# Altium PCB DS134-1.0-A色度传感器partA.PcbDoc (continued)
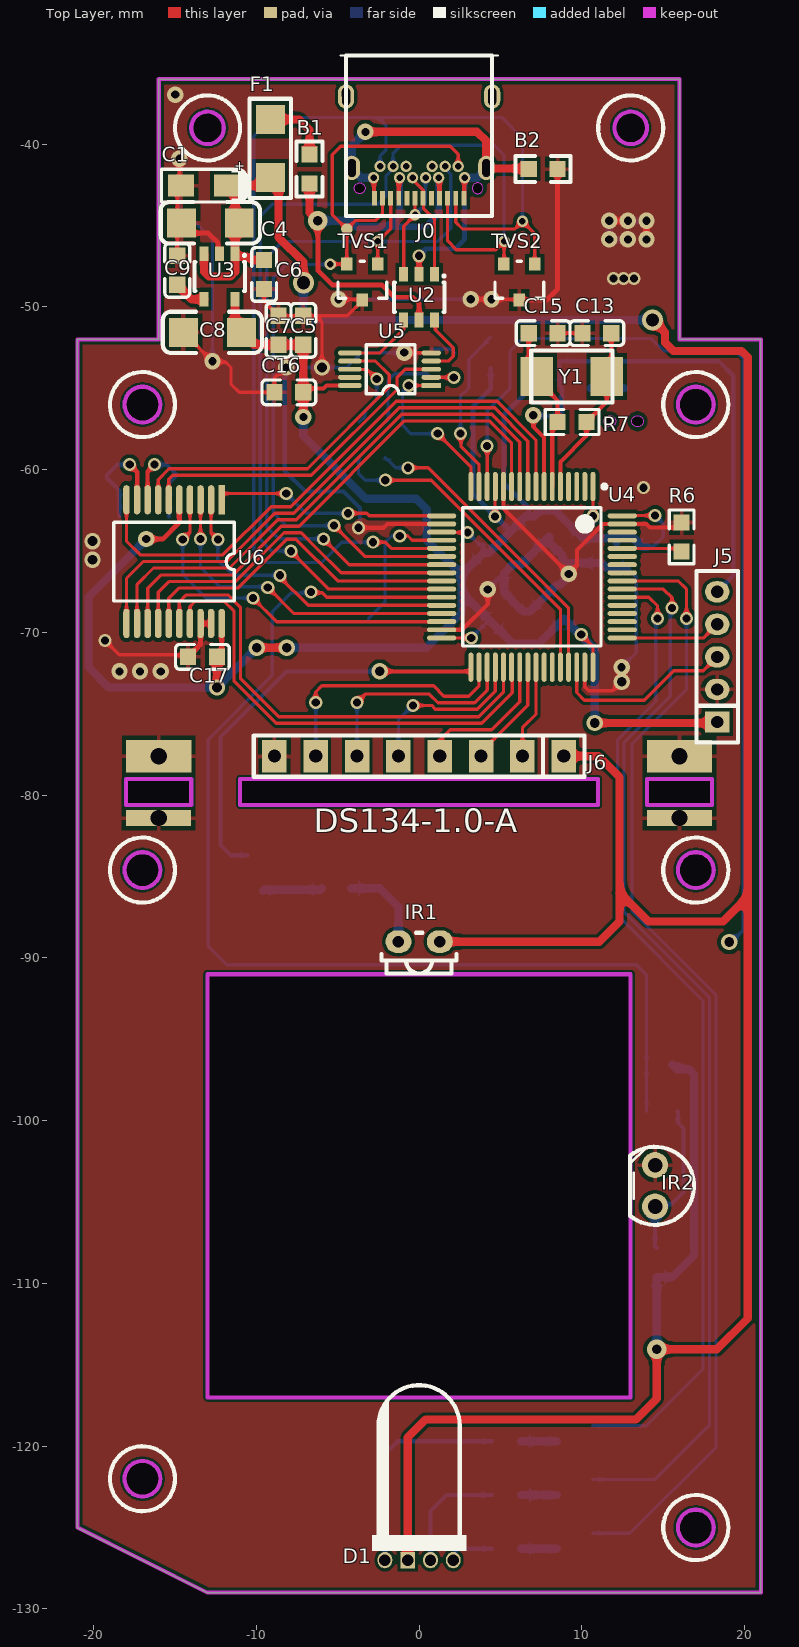
[diagram p0: Top Layer view]
## Footprints (in the part's own frame and the unit in brackets; to place one, negate y for a bottom-side part, rotate by r counter-clockwise, add the part's x,y. Pads: shape width x height; smd on the part's side, far side on the other; paste and mask are expansions set on the pad) (continued)
  round 0.7 hole 0.4: B1(2.8,1.86) B2(2.4,1.16) B3(1.6,1.16) B4(1.2,1.86) B5(0.8,1.16) B6(0.4,1.86) B7(-0.4,1.86) B8(-0.8,1.16) B9(-1.2,1.86) B10(-1.6,1.16) B11(-2.4,1.16) B12(-2.8,1.86)
  Keep-Out Layer board cut-out: 3.98,2.51 3.955,2.384 3.883,2.277 3.776,2.205 3.65,2.18 3.65,2.18 3.524,2.205 3.417,2.277 3.345,2.384 3.32,2.51 3.32,2.51 3.345,2.636 3.417,2.743 3.524,2.815 3.65,2.84 3.65,2.84 3.776,2.815 3.883,2.743 3.955,2.636 3.98,2.51
  Keep-Out Layer board cut-out: -3.93,2.51 -3.905,2.384 -3.833,2.277 -3.726,2.205 -3.6,2.18 -3.6,2.18 -3.474,2.205 -3.367,2.277 -3.295,2.384 -3.27,2.51 -3.27,2.51 -3.295,2.636 -3.367,2.743 -3.474,2.815 -3.6,2.84 -3.6,2.84 -3.726,2.815 -3.833,2.743 -3.905,2.636 -3.93,2.51
  silkscreen extent -4.48,-5.66 4.48,4.21, body extent -4.87,-5.66 4.88,4.21, height 3.36
XTAL_SMD5032_2P [mm]
  rect 2x2.4 smd: 1(-2.15,0) 2(2.15,0)
  silkscreen extent -2.5,-1.6 2.5,1.6, body extent -2.5,-1.6 2.5,1.6, height 1.3

## Part data
B1 B2: library part "Chip Ferrite Bead 0606", "贴片磁珠"
C1: "钽电容"
C4 C8: "贴片电容"
C5 C10 C16 C17 C19 C20 C21 C23 C24: library part "MLCC 100nF 50V ±10％ 0603", "贴片电容"
C6 C7 C11: library part "MLCC 1uF 50V ±10％ 0603", "贴片电容"
C9 C12: library part "MLCC 10nF 50V ±10％ 0603", "贴片电容"
C13 C14 C15 C18: library part "MLCC 20pF 50V ±10％ 0603", "贴片电容"
C22: library part "MLCC 4.7uF 50V ±10％ 0603", "贴片电容"
D1: library part "Φ5 RGB 透明 共阳 DIP4", "RGB插件LED"
F1: "贴片自恢复保险丝 16V /0.5A"
J5: "单排直针"
J6: library part "DIP8 单排直针 1*40P 间距2.54mm 针长11mm 铜", "单排直针"
K1: "轻触开关"
Q1: "数字晶体管"
Q2 Q3 Q4 Q5: library part "DTC114ECA SOT-23 长电", "数字晶体管"
R1 R2: library part "Chip 22K 1/16W ±1％ 0603", "贴片电阻"
R3: library part "Chip 1.5K 1/16W ±1％ 0603", "贴片电阻"
R4 R6: library part "Chip 10K 1/16W ±1％ 0603", "贴片电阻"
R5 R8 R9: library part "Chip 100R 1/16W ±1％ 0603", "贴片电阻"
R7: library part "Chip 1M 1/16W ±1％ 0603", "贴片电阻"
R10 R11 R12: library part "Chip 510R 1/16W ±1％ 0603", "贴片电阻"
TVS1 TVS2: library part TVS, "瞬态抑制二极管"
U2: "瞬态抑制二极管(TVS)"
U3: "稳压芯片"
U5: "USB 开关芯片"
U7: library part "LM321 SOT23-5", "运放芯片"
Y1: library part X50328MSB2GI, "贴片晶振"
Y2: library part X503212MSB2GI, "贴片晶振"

## Free pads (board coordinates)
  rect 4x1 hole 1: 0(-16.002,-81.407) 0(15.998,-81.407)
  rect 4x2 hole 1: 0(-15.998,-77.6) 0(16.002,-77.6)
  round 0.7 smd mask+0.102: 2(-4.44,-45.217)

## Via types
v1: diameter 0.8, hole 0.5, Top Layer to Bottom Layer, tented both sides, 43 vias
v2: diameter 1, hole 0.5, Top Layer to Bottom Layer, tented both sides, 24 vias
v3: diameter 1, hole 0.6, Top Layer to Bottom Layer, tented both sides, 10 vias
v4: diameter 0.7, hole 0.4, Top Layer to Bottom Layer, tented both sides, 5 vias
v5: diameter 1.2, hole 0.6, Top Layer to Bottom Layer, tented both sides, 2 vias
v6: diameter 1.3, hole 0.8, Top Layer to Bottom Layer, tented both sides, 2 vias

## Nets (pads, with @x,y where several pads share a name; then routed paths per layer and width w, separated by ;. In a path a pad name is that pad's centre, name@x,y a point inside that pad or via, vN(x,y) a via of type N, cw(c..) or ccw(c..) an arc to the next point about the centre after c; other vN are vias at no path point)
ADC12_IN9: U4.27 U7.3 U7.4 | length 69.3
  Top Layer w0.2: v1(-6.65,-67.505) -6.589,-67.565 -5.954,-67.565 -5.684,-67.836 U4.27
  Bottom Layer w0.2: v1(-6.65,-67.505) -6.715,-67.57 -7.858,-67.57 -9.017,-68.729 -9.017,-72.644 -12.954,-76.581 -12.954,-89.281 -11.811,-90.424 13.335,-90.424 13.975,-91.064 U7.4 U7.3
BOOT0: R6.1 U4.60 | length 3.7
  Top Layer w0.2: U4.60 15.941,-64.836 R6.1
D+_I/O1: J0.A6 J0.B6 U2.1 | length 6
  Top Layer w0.2: J0.B6 -0.4,-42.179 0.25,-42.829 J0.A6 0.266,-43.346 0.266,-43.93 0.95,-44.613 0.95,-47.498
D-_I/O2: J0.A7 J0.B7 U2.3 | length 7
  Top Layer w0.2: -0.95,-47.498 -0.95,-45.032 v4(-0.25,-44.332) J0.A7
  Bottom Layer w0.2: v4(-0.25,-44.332) 0.4,-43.682 J0.B7
DAC_OUT1: U4.20 | length 8.9
  Top Layer w0.2: v1(-1.189,-64.076) -0.681,-64.076 -0.421,-64.336 U4.20
  Bottom Layer w0.2: -3.117,-69.158 -2.099,-68.14 -2.099,-64.478 -1.697,-64.076 v1(-1.189,-64.076)
Dis_blue_EN: Q4.1 U4.56 | length 70.2
  Top Layer w0.2: U4.56 15.909,-66.836 16.433,-67.36 v1(16.433,-69.138)
  Bottom Layer w0.2: Q4.1 12.949,-125.354 18.245,-120.058 18.245,-92.286 13.081,-87.122 13.081,-76.835 16.433,-73.483 v1(16.433,-69.138)
Dis_green_EN: Q3.1 U4.55 | length 66.1
  Top Layer w0.2: U4.55 15.012,-67.336 15.544,-67.868 v1(15.544,-68.503)
  Bottom Layer w0.2: Q3.1 14.473,-122.052 17.845,-118.68 17.845,-92.452 12.592,-87.199 12.592,-76.758 15.432,-73.918 15.432,-68.615 v1(15.544,-68.503)
Dis_IR_EN: Q5.1 U4.33 | length 25.8
  Top Layer w0.254: v3(-2.413,-72.39) 3.162,-72.39 3.183,-72.369 U4.33
  Bottom Layer w0.254: Q5.1 -11.557,-83.693 -12.192,-83.058 -12.192,-76.423 -8.159,-72.39 v3(-2.413,-72.39)
Dis_red_en: Q2.1 U4.54 | length 60.7
  Top Layer w0.2: U4.54 14.115,-67.836 14.655,-68.376 v1(14.655,-69.138)
  Bottom Layer w0.2: Q2.1 13.965,-118.75 17.445,-115.27 17.445,-92.617 12.192,-87.364 12.192,-76.593 14.543,-74.242 14.543,-69.25 v1(14.655,-69.138)
GND: B2.2 C1.2 C4.1 C5.1 C6.1 C7.1 C8.1 C9.2 C10.1 C11.1 C12.1 C13.1 C14.1 C15.1 C16.1 C17.1 C18.1 C19.1 C20.1 C21.1 C22.1 C23.1 C24.1 IR2.1 J5.2 J6.8 K1.1 pad.0 Q2.2 Q3.2 Q4.2 Q5.2 R6.2 TVS1.3 TVS2.3 U3.2 U4.12 U4.18 U4.31 U4.47 U4.63 U5.5 U5.9 U6.18 U6.19 U7.2 | length 158.8
  Top Layer w0.2: v1(-19.304,-70.485) -18.414,-71.375 C17.1@-14.2,-71.375 ; C9.2 -14.859,-42.773 C1.2 -14.732,-42.444 v2(-14.732,-40.894) ; C8.1 v2(-12.7,-53.34) -12.662,-53.378 -11.9,-53.378 -11.557,-53.721 -11.557,-54.737 -11.049,-55.245 C16.1 -8.891,-54.357 -8.255,-53.721 v2(-8.16,-53.721) ; C6.1 -9.525,-49.657 C7.1 C5.1 -6.35,-50.546 ; v3(-5.969,-53.721) -5.969,-50.927 -6.35,-50.546 ; v2(-4.953,-49.53) -3.531,-49.53 TVS1.3 -3.49,-49.621 -4.415,-50.546 -6.35,-50.546 ; v2(-0.913,-52.808) 0.729,-52.808 U5.5 ; v2(3.175,-49.53) v2(4.445,-49.53) 6.116,-49.53 TVS2.3 ; C15.1 C13.1 ; U4.47 10.183,-73.35 10.414,-73.581 11.89,-73.581 v3(12.446,-73.025) v2(12.446,-72.136)
  Top Layer w0.254: v1(-3.729,-63.568) -2.184,-63.568 -1.952,-63.336 U4.18 ; U4.31 2.634,-69.836 4.221,-68.248 v2(4.221,-67.35) ; U4.12 5.192,-61.045 5.192,-62.394 v2(9.198,-66.401) 9.198,-66.38 9.699,-65.879 9.699,-64.926 11.289,-63.336 U4.63 13.97,-63.336 14.194,-63.56 15.815,-63.56 R6.2 ; v2(11.684,-44.704) v2(12.827,-44.704) ; v2(13.97,-45.847) v2(13.97,-44.704)
  Top Layer w0.3: C4.1 -13.97,-45.466 -12.954,-45.466 -12.355,-46.065 -12.355,-46.633 U3.2 ; C17.1 -13.43,-70.732 U6.18 U6.19 ; TVS2.3 7.833,-49.571 8.509,-48.895 B2.2
  Bottom Layer w0.2: v2(-14.732,-40.894) -14.732,-43.815 -12.7,-45.847 v2(-12.7,-53.34) ; v2(-8.16,-53.721) v3(-5.969,-53.721) -4.44,-53.721 -3.527,-52.808 v2(-0.913,-52.808) ; v2(-4.953,-49.53) v2(3.175,-49.53) ; v2(12.446,-72.136) 13.335,-71.247 13.335,-66.586 C22.1 C22.1
  Bottom Layer w0.254: v2(-8.16,-53.721) -8.255,-53.816 -8.255,-60.071 -6.985,-61.341 -4.638,-61.341 -3.637,-62.342 -3.637,-63.476 v1(-3.729,-63.568) ; v2(4.221,-67.35) C23.1 C23.1 ; v2(11.684,-44.704) v2(11.684,-45.847) v2(12.827,-45.847) ; v2(12.827,-44.704) v2(13.97,-44.704)
  Bottom Layer w0.508: C24.1 9.071,-65.735 C21.1 11.214,-65.735 11.483,-66.004 C22.1 ; C24.1@8.801,-65.274 7.994,-64.466 C12.1 C12.1 6.287,-65.824 5.749,-65.824 C23.1 5.21,-67.513 5.748,-68.051 C19.1 5.843,-68.159 6.393,-68.709 6.814,-68.709 8.442,-67.081 8.655,-67.081 9.104,-66.632 9.104,-66.495 v2(9.198,-66.401)
  other v1: 13.797,-61.107 11.938,-48.26 12.573,-48.26 13.208,-48.26
  other v2: -18.415,-72.39 -17.145,-72.39 -15.875,-72.39 -14.986,-36.957
  other v3: -20.066,-65.532 -20.066,-64.389
HSD1+: R2.1 R3.1 U5.2 | length 8.3
  Top Layer w0.2: U5.2 v1(2.13,-54.327)
  Bottom Layer w0.2: R2.1 -1.905,-56.944 -1.905,-54.522 -1.485,-54.102 0.508,-54.102 R3.1 0.791,-54.327 v1(2.13,-54.327)
HSD1-: R1.1 U5.8 | length 5
  Top Layer w0.2: U5.8 -4.233,-53.846 -3.177,-53.846 v1(-2.601,-54.422)
  Bottom Layer w0.2: R1.1 -3.322,-56.71 -3.322,-56.408 -2.601,-55.687 v1(-2.601,-54.422)
HSD2+: U5.3 U6.6 | length 20.6
  Top Layer w0.2: U6.6 -15.38,-60.592 -15.132,-60.344 -6.623,-60.344 -1.352,-55.073 -1.352,-54.316 -0.863,-53.827 U5.3
HSD2-: U5.7 U6.7 | length 21.7
  Top Layer w0.2: U6.7@-16.03,-62.596 U6.7@-16.03,-62.056 ; U6.7 -16.03,-60.607 -15.367,-59.944 -6.858,-59.944 -1.824,-54.91 ; U5.7 -2.68,-53.327 -1.839,-54.168 -1.839,-54.715
I2C1_SCL: U4.58
I2C1_SDA: U4.59
I2C1_SMBAI: U4.57
KEY_HOME: U4.14 | length 60.3
  Top Layer w0.2: U4.14 U4.14 ; U4.14 v1(4.182,-58.548) ; v1@4.226,-58.549 v1@4.227,-58.551
  Bottom Layer w0.2: v1(4.182,-58.548) 4.182,-56.353 ; 4.226,-56.353 5.588,-54.991 5.588,-52.705 6.35,-51.943 14.27,-51.943 15.032,-52.705 19.431,-52.705 19.905,-53.179 19.905,-88.299 19.177,-89.027 v3(19.05,-89.027)
NetB1_2: B1.2 F1.1 | length 4.2
  Top Layer w0.508: F1.1 -7.366,-38.481 -6.731,-39.116 B1.2
NetC9_1: C9.1 U3.4 | length 2
  Top Layer w0.508: C9.1 -13.971,-49.53 U3.4
NetD1_1: D1.1 R10.2 | length 13.4
  Bottom Layer w0.254: D1.1 -2.1,-120.464 -1.336,-119.7 R10.2
NetD1_3: D1.3 R11.2 | length 7.2
  Bottom Layer w0.254: D1.3 0.7,-123.978 1.676,-123.002 R11.2
NetD1_4: D1.4 R12.1 | length 2.9
  Bottom Layer w0.254: D1.4 2.224,-126.876 2.224,-126.499 2.419,-126.304 R12.1
NetIR1_2: IR1.2 R8.2 | length 5.5
  Bottom Layer w0.508: R8.2 -2.413,-85.725 -1.27,-86.868 IR1.2
NetIR2_2: IR2.2 R9.1 U7.1 | length 9.8
  Bottom Layer w0.254: R9.1 14.5,-107.718 IR2.2 14.641,-105.129 15.521,-105.129 16.256,-104.394 16.256,-100.478 15.901,-100.123 15.901,-99.467 U7.1
NetK1_2: K1.2 R5.1 | length 2
  Bottom Layer w0.508: R5.1 K1.2@12.573,-54.991
NetQ1_3: Q1.3 R3.2 | length 1.5
  Bottom Layer w0.2: R3.2 1.898,-52.578 2.152,-52.832 Q1.3
NetQ2_3: Q2.3 R10.1 | length 2.2
  Bottom Layer w0.508: R10.1 Q2.3
NetQ3_3: Q3.3 R11.1 | length 2.2
  Bottom Layer w0.508: R11.1 Q3.3
NetQ4_3: Q4.3 R12.2 | length 2.2
  Bottom Layer w0.508: R12.2 Q4.3
NetQ5_3: Q5.3 R8.1 | length 3.7
  Bottom Layer w0.508: Q5.3 -9.507,-85.809 -6.053,-85.809 R8.1
OE: J6.7 U4.34 | length 16.2
  Top Layer w0.2: v1(-6.35,-74.295) -6.35,-73.66 -5.969,-73.279 0.889,-73.279 1.524,-73.914 3.048,-73.914 3.683,-73.279 U4.34
  Bottom Layer w0.2: J6.7@-6.35,-78 J6.7 v1(-6.35,-74.295)
OSC32_IN: U4.3
OSC32_OUT: U4.4
OSC_IN: C13.2 R7.2 U4.5 Y1.2 | length 10.7
  Top Layer w0.254: U4.5 8.683,-59.516 10.287,-57.912 R7.2 11.539,-55.819 Y1.2 11.812,-54.004 C13.2
OSC_OUT: C15.2 R7.1 U4.6 Y1.1 | length 10.8
  Top Layer w0.254: C15.2 6.731,-53.769 Y1.1 7.239,-54.477 8.509,-55.747 R7.1 8.183,-57.397 U4.6 ; Y1.1@7.111,-53.697 Y1.1@7.44,-53.368
OUT: J6.2 U4.41 | length 6.2
  Top Layer w0.2: J6.2@6.35,-78 6.35,-75.867 7.183,-75.034 U4.41
RESET: C10.2 J5.5 R4.1 R5.2 U4.7 | length 34.5
  Top Layer w0.254: v2(7.018,-56.656) 7.032,-56.67 7.032,-57.38 7.683,-58.031 U4.7
  Bottom Layer w0.254: v2@7.018,-56.69 C10.2 R5.2 8.636,-54.864 R4.1 18.415,-53.34 19.304,-54.229 19.304,-66.512 J5.5
S0: J6.5 U4.36 | length 10.6
  Top Layer w0.2: v1(-0.381,-74.487) 0.769,-74.487 0.996,-74.714 3.576,-74.714 4.683,-73.607 U4.36
  Bottom Layer w0.2: J6.5 -1.27,-75.376 v1(-0.381,-74.487)
S1: J6.6 U4.35 | length 13.9
  Top Layer w0.2: v1(-3.81,-74.295) -3.302,-73.787 0.635,-73.787 1.162,-74.314 3.41,-74.314 4.183,-73.541 U4.35
  Bottom Layer w0.2: J6.6@-3.81,-78 J6.6 v1(-3.81,-74.295)
S2: J6.3 U4.40 | length 6.5
  Top Layer w0.2: J6.3@4.192,-77.618 4.192,-76.968 6.683,-74.477 U4.40
S3: J6.4 U4.39 | length 9.4
  Top Layer w0.2: J6.4@1.27,-78 1.27,-76.629 1.915,-75.984 4.455,-75.984 6.183,-74.256 U4.39
SPI1_CS: J0.A3 J0.B3 TVS2.2 U4.26 | length 63.8
  Top Layer w0.2: v1(-7.876,-65.008) -5.549,-67.336 U4.26 ; J0.A3 1.75,-45.946 2.286,-46.482 4.713,-46.482 v4(5.221,-45.974) 5.221,-47.357 TVS2.2
  Bottom Layer w0.2: v1(-7.876,-65.008) -7.887,-64.998 -9.043,-64.998 -9.76,-64.281 -9.76,-44.431 -9.017,-43.688 -2.54,-43.688 -2.032,-43.18 -2.032,-41.927 -1.6,-41.495 J0.B3 -1.6,-40.551 -1.11,-40.061 4.605,-40.061 5.221,-40.677 v4(5.221,-45.974)
SPI1_MISO: J0.A11 J0.B11 pad.2 TVS1.2 U4.22 | length 50.3
  Top Layer w0.2: v4(-5.461,-47.371) TVS1.2 pad.2 ; v1(-5.236,-63.419) -3.319,-65.336 U4.22 ; J0.A11 -2.25,-44.249 -2.694,-44.693 -3.916,-44.693 pad.2 ; J0.B11 2.4,-40.627 1.905,-40.132 -4.826,-40.132 -5.334,-40.64 -5.334,-44.323 pad.2
  Bottom Layer w0.2: v4(-5.461,-47.371) -5.476,-47.386 -8.143,-47.386 -8.96,-48.203 -8.96,-62.655 -8.174,-63.441 -5.258,-63.441 v1(-5.236,-63.419)
SPI1_MOSI: J0.A10 J0.B10 TVS1.1 U4.23 | length 48.6
  Top Layer w0.2: v1(-5.883,-64.251) -4.298,-65.836 U4.23 ; TVS1.1 v4(-2.54,-45.974) -1.75,-45.184 J0.A10
  Bottom Layer w0.2: v1(-5.883,-64.251) -8.634,-64.251 -9.36,-63.525 -9.36,-46.952 -8.382,-45.974 v4(-2.54,-45.974) 1.143,-45.974 1.938,-45.179 1.938,-41.833 1.6,-41.495 J0.B10
SPI1_SCK: J0.A2 J0.B2 TVS2.1 U4.21 | length 72.8
  Top Layer w0.2: v1(-2.84,-64.457) -2.078,-64.457 -1.699,-64.836 U4.21 ; J0.A2 2.25,-44.795 2.667,-45.212 5.884,-45.212 v4(6.35,-44.746) 7.107,-45.503 TVS2.1
  Bottom Layer w0.2: v1(-2.84,-64.457) -4.745,-64.457 -5.996,-65.708 -9.349,-65.708 -10.16,-64.897 -10.16,-39.497 -9.017,-38.354 -2.54,-38.354 ; J0.B2 -2.4,-40.707 -2.032,-40.339 -2.032,-38.862 -2.54,-38.354 ; v4(6.35,-44.746) 6.35,-39.624 5.08,-38.354 -2.54,-38.354
SWCLK: J5.4 U4.49 | length 6.2
  Top Layer w0.2: U4.49 12.494,-70.347 17.469,-70.347 J5.4
SWDIO: J5.3 U4.46 | length 11.4
  Top Layer w0.2: U4.46 9.683,-73.691 10.16,-74.168 13.843,-74.168 15.653,-72.358 17.47,-72.358 J5.3@18.267,-71.561
USART1_RX: U4.43
USART1_TX: U4.42
"USB Pull Up": Q1.1 U4.15 | length 10.4
  Top Layer w0.2: v1(2.54,-57.785) 2.578,-57.823 2.578,-58.585 3.683,-59.69 U4.15
  Bottom Layer w0.2: v1(2.54,-57.785) 2.54,-55.499 3.048,-54.991 3.048,-53.236 4.102,-52.182 4.102,-52.132 4.352,-51.882 Q1.1
USB_A0: U4.30 U6.4 | length 21.9
  Top Layer w0.2: v1(-14.524,-64.282) -14.08,-63.838 U6.4 ; v1(-10.206,-67.886) -8.756,-69.336 U4.30
  Bottom Layer w0.2: v1(-14.524,-64.282) -14.524,-66.441 -13.079,-67.886 v1(-10.206,-67.886)
USB_D0: U4.8 U6.10 | length 35.8
  Top Layer w0.2: U6.10 -17.98,-64.39 -17.13,-65.24 -12.053,-65.24 -9.092,-62.279 -7.875,-62.279 -1.397,-55.801 4.807,-55.801 7.183,-58.177 U4.8
USB_D1: U4.9 U6.11 | length 35.4
  Top Layer w0.2: U6.11 -17.98,-66.684 -16.936,-65.64 -11.818,-65.64 -8.857,-62.679 -7.709,-62.679 -1.231,-56.201 4.641,-56.201 6.683,-58.243 U4.9
USB_D2: U4.10 U6.12 | length 33.7
  Top Layer w0.2: U6.12 -17.33,-67.05 -16.32,-66.04 -11.651,-66.04 -8.689,-63.079 -7.543,-63.079 -1.066,-56.601 4.475,-56.601 6.183,-58.309 U4.10
USB_D3: U4.11 U6.13 | length 32
  Top Layer w0.2: U6.13 -16.68,-67.289 -15.864,-66.473 -11.462,-66.473 -8.468,-63.479 -7.378,-63.479 -0.9,-57.001 4.31,-57.001 5.683,-58.374 U4.11
USB_D4: U4.24 U6.14 | length 21.9
  Top Layer w0.2: U6.14 -16.03,-67.528 -15.375,-66.873 -11.296,-66.873 -8.302,-63.879 -7.249,-63.879 -6.272,-64.856 -4.792,-66.336 U4.24
USB_D5: U4.25 U6.15 | length 20.9
  Top Layer w0.2: U6.15 -15.38,-67.894 -14.759,-67.273 -11.13,-67.273 -8.136,-64.279 -7.568,-64.279 -5.011,-66.836 U4.25
USB_D6: U4.37 U6.16 | length 29.2
  Top Layer w0.2: U6.16 -14.73,-68.133 -14.295,-67.698 -11.743,-67.698 -10.968,-68.473 -10.968,-72.843 -8.623,-75.187 -0.091,-75.187 -0.088,-75.184 3.671,-75.184 5.183,-73.672 U4.37
USB_D7: U4.38 U6.17 | length 29.3
  Top Layer w0.2: U6.17 -14.08,-68.409 -13.769,-68.098 -11.978,-68.098 -11.368,-68.708 -11.368,-73.008 -8.789,-75.587 0.075,-75.587 0.078,-75.584 3.837,-75.584 5.729,-73.692 U4.38@5.729,-71.735
USB_D+: U2.6 U5.4 | length 4.2
  Top Layer w0.2: U5.4 1.796,-53.327 2.098,-53.025 2.098,-52.517 1.014,-51.433 1.014,-50.864 U2.6
USB_D-: U2.4 U5.6 | length 4.5
  Top Layer w0.2: U5.6 -2.403,-52.827 -0.95,-51.374 -0.95,-50.988 U2.4
USB_INT: U4.17 U6.1 | length 14.5
  Top Layer w0.2: U6.1@-12.111,-61.508 U6.1@-12.111,-61.468 ; U6.1@-12.03,-61.087 -12.111,-61.168 U6.1@-12.111,-61.468 ; v1(-8.163,-61.468) U6.1@-12.111,-61.468 ; v1(-4.364,-62.679) -3.229,-62.679 -3.072,-62.836 U4.17
  Bottom Layer w0.2: v1(-8.163,-61.468) -6.952,-62.679 v1(-4.364,-62.679)
USB_RD: U4.29 U6.3 | length 20.1
  Top Layer w0.2: v1(-13.43,-64.257) U6.3 ; v1(-9.3,-67.234) -7.698,-68.836 U4.29
  Bottom Layer w0.2: v1(-13.43,-64.257) -13.43,-66.011 -12.255,-67.186 -9.348,-67.186 v1(-9.3,-67.234)
"USB_Select Input": U4.16 U5.1 | length 10.5
  Top Layer w0.2: v1(-0.635,-54.827) U5.1 ; v1(1.143,-57.785) 3.183,-59.825 3.183,-60.272 U4.16
  Bottom Layer w0.2: v1(-0.635,-54.827) -0.635,-54.863 -1.016,-55.244 -1.016,-57.277 -0.508,-57.785 v1(1.143,-57.785)
USB_WR: U4.28 U6.2 | length 18.8
  Top Layer w0.2: U6.2 -12.78,-63.867 v1(-12.365,-64.282) ; v1(-8.555,-66.489) -8.555,-66.601 -6.82,-68.336 U4.28
  Bottom Layer w0.2: v1(-12.365,-64.282) -12.365,-65.552 -11.428,-66.489 v1(-8.555,-66.489)
USB_XI: C14.2 U6.8 Y2.2 | length 6.7
  Top Layer w0.254: U6.8 -16.68,-60.114 v1(-16.256,-59.69)
  Bottom Layer w0.254: v1(-16.256,-59.69) -15.512,-59.69 Y2.2 -15.367,-60.815 C14.2
USB_XO: C18.2 U6.9 Y2.1 | length 6.9
  Top Layer w0.254: v1(-17.78,-59.69) -17.322,-60.148 U6.9@-17.322,-61.854
  Bottom Layer w0.254: C18.2 -18.414,-61.288 -19.177,-60.525 Y2.1 -18.542,-59.69 v1(-17.78,-59.69)
USBDM: R1.2 U4.44 | length 20.4
  Top Layer w0.2: v1(-2.078,-60.647) 0.75,-60.647 8.683,-68.579 U4.44
  Bottom Layer w0.2: R1.2@-3.729,-59.25 -3.729,-60.218 -3.3,-60.647 v1(-2.078,-60.647)
USBDP: R2.2 U4.45 | length 18.7
  Top Layer w0.2: v1(-0.681,-59.885) 0.554,-59.885 9.183,-68.514 U4.45
  Bottom Layer w0.2: R2.2@-2.078,-59.25 -1.443,-59.885 v1(-0.681,-59.885)
VBUS: B1.1 J0.A4 J0.A9 J0.B4 J0.B9 U2.5 | length 29.6
  Top Layer w0.254: J0.A9 J0.A9@-1.227,-43.307 ; J0.B4@-1.227,-42.087 J0.B4 ; J0.B9 J0.B9@1.227,-42.087
  Top Layer w0.3: v5(-6.223,-44.704) -6.223,-47.752 -5.334,-48.641 -2.286,-48.641 -1.524,-49.403 -0.381,-49.403 0,-49.784 U2.5 ; J0.A9 J0.B4@-1.25,-42.11 ; J0.A4 J0.B9@1.25,-42.11
  Top Layer w0.508: B1.1 -6.731,-44.196 v5(-6.223,-44.704)
  Bottom Layer w0.4: J0.B4 -1.2,-44.38 -1.905,-45.085 0.381,-45.085 1.2,-44.266 J0.B9
  Bottom Layer w0.508: v5(-6.223,-44.704) -4.191,-44.704 -3.81,-45.085 -1.905,-45.085
VCC_3V3_MCU: C5.2 C7.2 C8.2 C11.2 C12.2 C16.2 C17.2 C19.2 C20.2 C21.2 C22.2 C23.2 C24.2 J5.1 Q1.2 R4.2 U3.5 U4.1 U4.13 U4.19 U4.32 U4.48 U4.64 U5.10 U6.5 U6.20 | length 152.9
  Top Layer w0.2: U4.32@1.385,-70.334 v1(3.205,-70.334) ; U4.19@1.385,-63.834 1.406,-63.855 v1(2.969,-63.855) ; v1(4.656,-62.885) 4.669,-62.872 4.669,-61.054 U4.13@4.685,-61.038 ; v1(9.963,-70.135) 10.681,-70.852 U4.48@10.681,-72.134 ; U4.1 10.685,-61.038 10.685,-62.858 v1(10.687,-62.86) ; U4.64 12.502,-62.817 v1(14.502,-62.817)
  Top Layer w0.254: C16.2@-7.088,-55.015 -5.866,-55.015 -5.678,-54.827 U5.10
  Top Layer w0.3: v2(-16.764,-64.262) -15.748,-64.262 -14.73,-63.244 U6.5 ; C17.2@-12.13,-71.502 U6.20
  Top Layer w0.508: v3(-12.421,-73.381) C17.2 ; U3.5 -11.308,-51.176 C8.2 -10.159,-52.325 C7.2 C5.2 C16.2 v2(-7.112,-56.769) ; v3(-9.974,-70.934) v3(-8.128,-70.934) ; v3(10.795,-75.565) 18.327,-75.565 J5.1@18.394,-75.498
  Bottom Layer w0.2: v1(2.969,-63.855) 3.803,-64.689 3.843,-64.689 3.952,-64.58 C23.2 ; v1(3.205,-70.334) 4.123,-69.417 C19.2 ; C24.2 10.687,-63.579 v1(10.687,-62.86) ; C22.2 14.369,-64.746 14.997,-64.118 14.997,-63.312 v1(14.502,-62.817)
  Bottom Layer w0.254: v1@3.129,-70.41 v1(3.205,-70.334)
  Bottom Layer w0.3: Q1.2 4.402,-55.034 3.302,-56.134 3.302,-61.475 4.656,-62.829 v1(4.656,-62.885) ; v1@4.685,-62.858 C11.2@5.621,-63.795 ; C12.2@6.556,-62.86 6.736,-62.681 6.736,-62.365 5.207,-60.837 5.207,-56.642 6.858,-54.991 R4.2
  Bottom Layer w0.508: v2(-16.764,-64.262) -20.32,-67.818 -20.32,-72.136 -19.075,-73.381 v3(-12.421,-73.381) v3(-9.974,-70.934) ; v3(-8.128,-70.934) 0.462,-70.934 2.605,-68.791 2.605,-67.531 ; v2(-7.112,-56.769) -7.112,-57.932 -3.254,-61.79 -0.173,-61.79 0.462,-62.425 0.462,-64.31 2.605,-66.452 ; C12.2@6.556,-62.86 5.621,-63.795 4.94,-64.477 4.928,-64.477 4.3,-65.105 C23.2 2.605,-66.452 ; C12.2 7.084,-62.86 7.443,-62.501 8.353,-62.501 C24.2 C21.2@12.124,-64.207 ; v3(10.795,-75.565) 10.795,-71.051 C20.2 7.366,-70.673 5.746,-70.673 C19.2 2.605,-67.531 ; C21.2 C21.2@12.124,-64.207 ; C22.2 13.724,-64.746 13.185,-64.207 C21.2@12.124,-64.207 ; 2.605,-67.531 2.605,-66.452
VCC_5V: C1.1 C4.2 C6.2 D1.2 F1.2 IR1.1 J6.1 R9.2 U3.1 U3.3 U7.5 | length 197.5
  Top Layer w0.508: U3.3 -13.208,-47.835 -12.91,-48.133 -11.601,-48.133 -11.303,-47.835 U3.1@-11.303,-46.91 ; C1.1 C1.1@-11.729,-42.545 ; C6.2 C6.2 -10.287,-47.117 -10.478,-46.926 -11.287,-46.926 U3.1@-11.303,-46.91 ; v6(-7.112,-48.514) -7.112,-47.244 -8.636,-45.72 -8.636,-42.545 F1.2 -9.652,-42.545 C1.1@-11.729,-42.545 ; D1.2 -0.7,-119.465 0.401,-118.364 13.314,-118.364 14.605,-117.073 v5(14.605,-114.046) 18.288,-114.046 20.193,-112.141 20.193,-86.233 ; IR1.1 11.076,-89 12.319,-87.757 12.319,-85.979 ; J6.1 11.023,-77.6 12.319,-78.896 12.319,-85.979 ; v6(14.351,-50.8) 15.113,-51.562 15.113,-52.197 15.621,-52.705 19.812,-52.705 20.193,-53.086 20.193,-81.055 20.193,-86.233 ; C1.1@-11.729,-42.545 -11.308,-42.966 U3.1 -11.308,-46.905 U3.1@-11.303,-46.91 ; 12.319,-85.979 14.097,-87.757 18.669,-87.757 20.193,-86.233
  Bottom Layer w0.508: v6(-7.112,-48.514) -7.112,-50.292 -6.604,-50.8 v6(14.351,-50.8) ; v5(14.605,-114.046) R9.2@14.605,-109.609 ; R9.2 R9.2@14.605,-109.609 ; 15.558,-96.565 U7.5@15.842,-96.849 ; U7.5 15.875,-96.816 15.896,-96.837 16.573,-96.837 16.891,-97.155 16.891,-108.276 15.558,-109.609 R9.2@14.605,-109.609
VSS: B2.1 J0.A1 J0.A12 J0.B1 J0.B12 U2.2 | length 28.3
  Top Layer w0.254: J0.B1 -2.773,-42.087 -2.773,-43.307 J0.A12 ; J0.A1 2.773,-43.307 2.773,-42.087 J0.B12
  Top Layer w0.3: U2.2 v1(0,-46.857)
  Top Layer w0.508: v2(-3.302,-39.243) 3.556,-39.243 4.13,-39.817 4.13,-41.46 4.164,-41.495 6.697,-41.495 B2.1
  Bottom Layer w0.254: J0.B1@-2.807,-42.053 J0.B1
  Bottom Layer w0.3: v1(0,-46.857) 0.433,-46.424 2.217,-46.424 2.8,-45.841 J0.B12
  Bottom Layer w0.508: -4.13,-41.46 -4.13,-40.071 v2(-3.302,-39.243) ; -4.123,-41.515 -3.578,-42.06 J0.B1 ; J0.B12 3.578,-42.06 4.123,-41.515
pads on no net: J0.0 J0.A5 J0.A8 J0.B5 J0.B8 U4.2 U4.50 U4.51 U4.52 U4.53 U4.61 U4.62

## Polygon pours and split planes (outlines as drawn)
GND on Top Layer "GND_L01_P003" (solid, remove dead copper, pour order 3): -21,-125 -21,-52 -16,-52 -16,-36 16,-36 16,-52 21,-52 21,-129 -13,-129
no net on Top Layer "NONET_L01_P000" (none, pour order 0): -18,-80.6 -14,-80.6 -14,-79 -18,-79
GND on Bottom Layer "GND_L02_P002" (solid, remove dead copper, pour order 2): -21,-125 -21,-52 -16,-52 -16,-36 16,-36 16,-52 21,-52 21,-129 -13,-129
no net on Bottom Layer "NONET_L02_P001" (none, pour order 1): -18,-80.6 -14,-80.6 -14,-79 -18,-79

## Keep-outs
Keep-Out Layer:
  circle w0.254: c-17,-56 r1.1
  circle w0.254: c17,-56 r1.1
  circle w0.254: c-17,-84.6 r1.1
  circle w0.254: c17,-84.6 r1.1
  circle w0.254: c-17,-122 r1.1
  circle w0.254: c17,-125 r1.1
  circle w0.254: c-13,-39 r1
  circle w0.254: c13,-39 r1
  lines w0.254: -21,-125 -21,-52 -16,-52 -16,-36 16,-36 16,-52 21,-52 21,-129 -13,-129 -21,-125 ; -18,-80.6 -18,-79 -14,-79 -14,-80.6 -18,-80.6 ; -13,-117 -13,-91 13,-91 13,-117 -13,-117 ; -11,-80.6 -11,-79 11,-79 11,-80.6 -11,-80.6 ; 14,-80.6 14,-79 18,-79 18,-80.6 14,-80.6

## Silkscreen, mask and mechanical layers (free items; w line width, h text height)
Top Overlay:
  circle w0.254: c13,-39 r2
  circle w0.254: c-13,-39 r2
  circle w0.254: c17,-125 r2
  circle w0.254: c-17,-122 r2
  circle w0.254: c17,-84.6 r2
  circle w0.254: c-17,-84.6 r2
  circle w0.254: c17,-56 r2
  circle w0.254: c-17,-56 r2
  lines w0.15: -4.826,-34.55 4.826,-34.55 -4.826,-34.55
  text "DS134-1.0-A" at -6.477,-82.776 h2.5
Bottom Overlay:
  circle w0.254: c13,-39 r2
  circle w0.254: c-13,-39 r2
  circle w0.254: c17,-125 r2.5
  circle w0.254: c-17,-122 r2.5
  circle w0.254: c17,-84.6 r2.5
  circle w0.254: c-17,-84.6 r2.5
  circle w0.254: c17,-56 r2.5
  circle w0.254: c-17,-56 r2.5
Mechanical 1:
  circle w0.254: c13,-39 r1
  circle w0.254: c-13,-39 r1
  circle w0.254: c17,-125 r1.1
  circle w0.254: c-17,-122 r1.1
  circle w0.254: c17,-84.6 r1.1
  circle w0.254: c-17,-84.6 r1.1
  circle w0.254: c17,-56 r1.1
  circle w0.254: c-17,-56 r1.1
  lines w0.254: -21,-125 -21,-52 -16,-52 -16,-36 16,-36 16,-52 21,-52 21,-129 -13,-129 -21,-125 ; -18,-80.6 -14,-80.6 -14,-79 -18,-79 -18,-80.6 ; -13,-117 13,-117 13,-91 -13,-91 -13,-117 ; -11,-80.6 11,-80.6 11,-79 -11,-79 -11,-80.6 ; 14,-80.6 18,-80.6 18,-79 14,-79 14,-80.6
Mechanical 15:
  circle w0.254: c-0.046,-65.081 r0.6
  lines w0.254: -21,-80.6 21,-80.6 ; -21,-79 21,-79 -21,-79
  lines w0.508: -16,-51 16,-51

## Text inside footprints (layer, text, board x,y; h text height)
C1: Top Overlay "+" at -10.668,-40.894 h1 r180